# Altium PCB BRD_XC95144XL.PcbDoc (part 1 of 2) (continued)
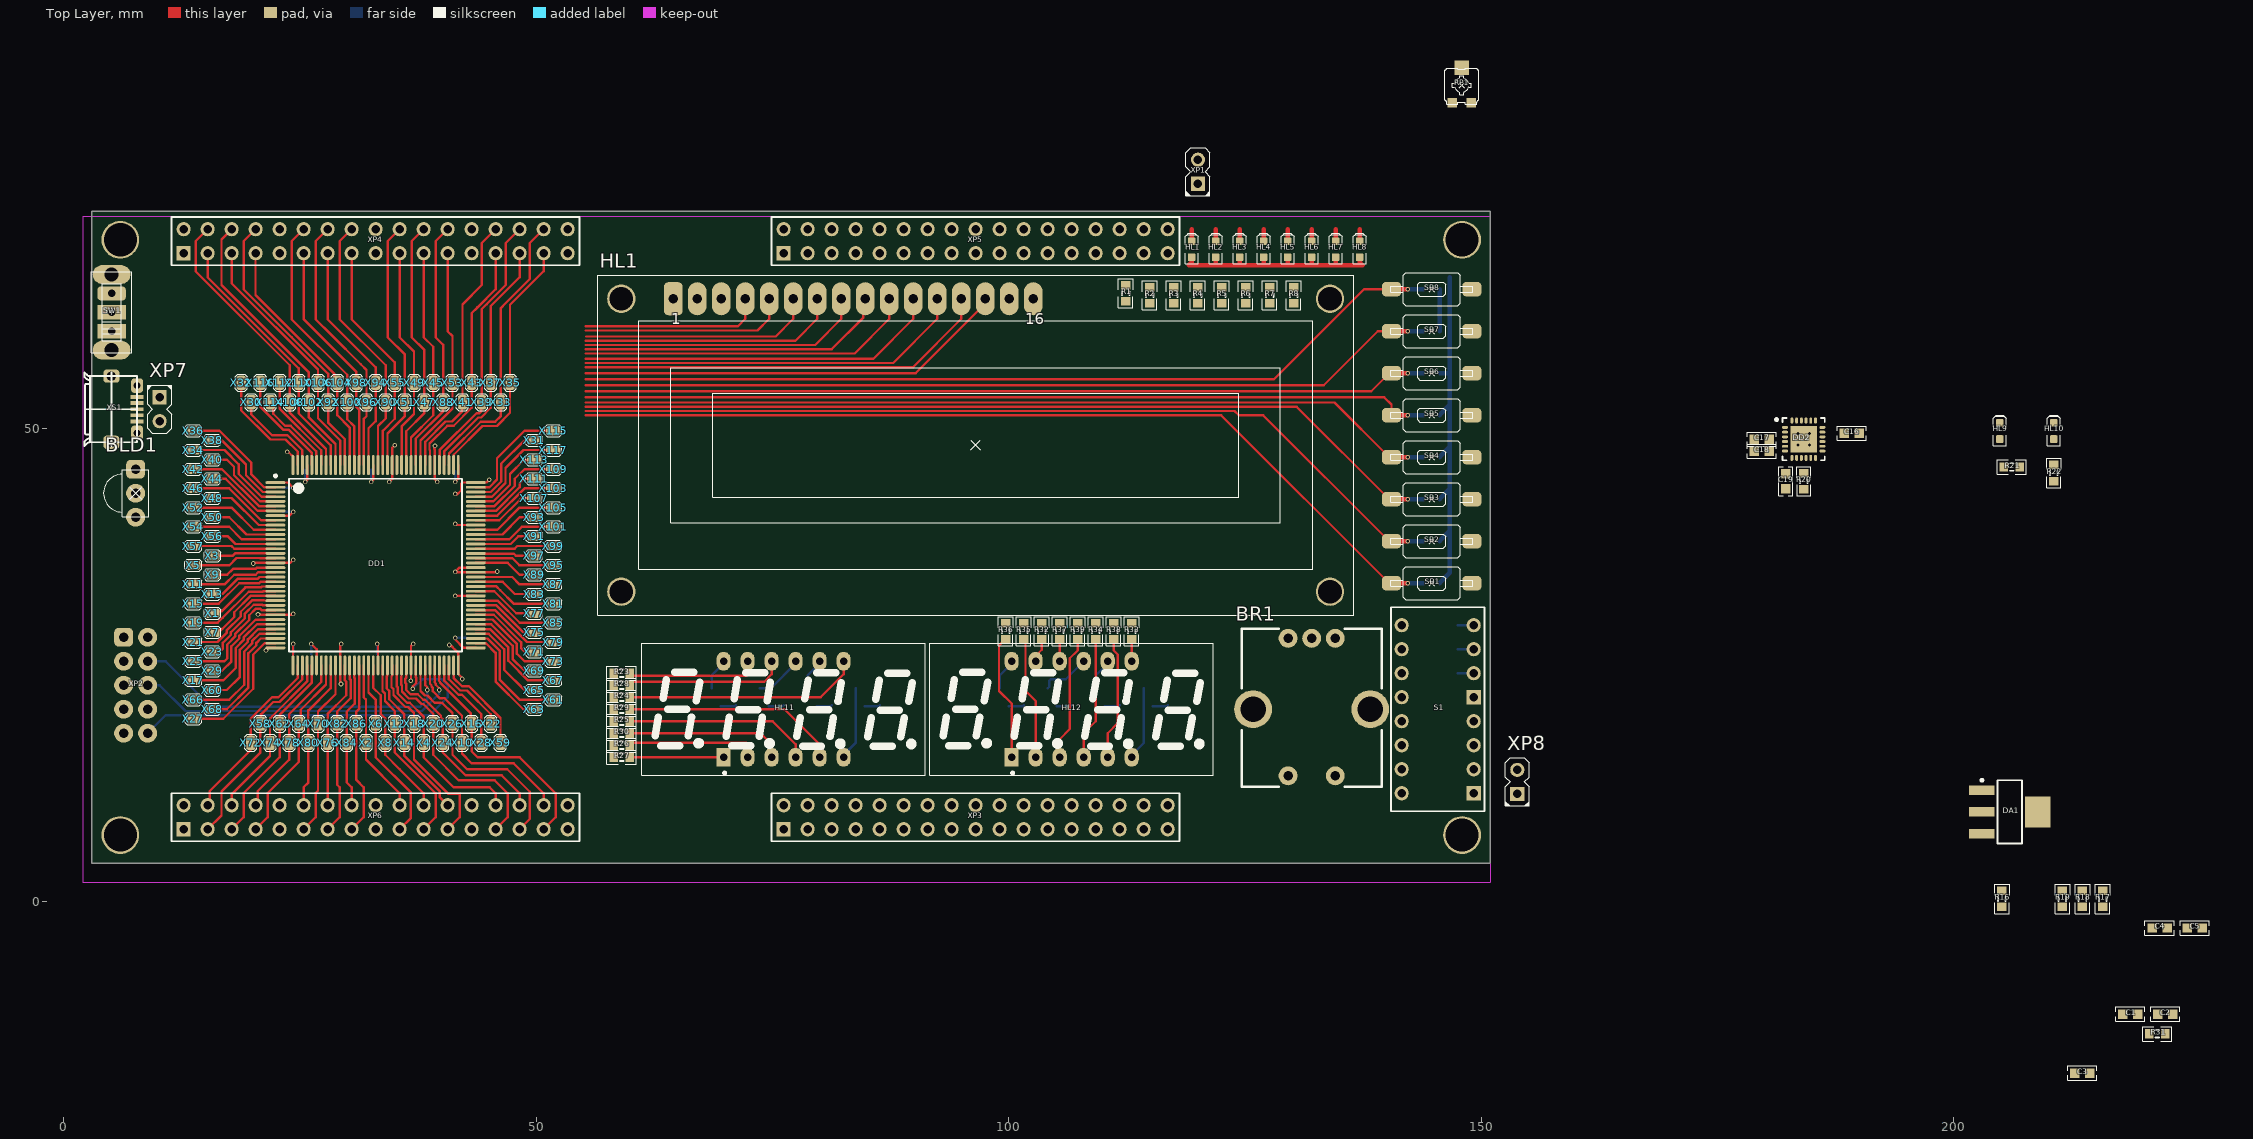
[diagram p0: Top Layer view]
## Components (designator, comment, footprint, x,y, rotation, side; value= is the part's Value field where it differs from the comment) (continued)
X101 "X1-1.27-1-TOP-RR" 1.27-1-TOP-RR 51.816,39.624 r90 top
X102 "X1-1.27-1-TOP-RR" 1.27-1-TOP-RR 25.955,52.809 r180 top
X103 "X1-1.27-1-TOP-RR" 1.27-1-TOP-RR 51.816,43.688 r90 top
X104 "X1-1.27-1-TOP-RR" 1.27-1-TOP-RR 28.956,54.864 r180 top
X105 "X1-1.27-1-TOP-RR" 1.27-1-TOP-RR 51.816,41.656 r90 top
X106 "X1-1.27-1-TOP-RR" 1.27-1-TOP-RR 26.924,54.864 r180 top
X107 "X1-1.27-1-TOP-RR" 1.27-1-TOP-RR 49.784,42.672 r90 top
X108 "X1-1.27-1-TOP-RR" 1.27-1-TOP-RR 23.923,52.809 r180 top
X109 "X1-1.27-1-TOP-RR" 1.27-1-TOP-RR 51.816,45.72 r90 top
X110 "X1-1.27-1-TOP-RR" 1.27-1-TOP-RR 24.892,54.864 r180 top
X111 "X1-1.27-1-TOP-RR" 1.27-1-TOP-RR 49.784,44.704 r90 top
X112 "X1-1.27-1-TOP-RR" 1.27-1-TOP-RR 22.86,54.864 r180 top
X113 "X1-1.27-1-TOP-RR" 1.27-1-TOP-RR 49.784,46.736 r90 top
X114 "X1-1.27-1-TOP-RR" 1.27-1-TOP-RR 21.891,52.809 r180 top
X115 "X1-1.27-1-TOP-RR" 1.27-1-TOP-RR 51.816,49.784 r90 top
X116 "X1-1.27-1-TOP-RR" 1.27-1-TOP-RR 20.828,54.864 r180 top
X117 "X1-1.27-1-TOP-RR" 1.27-1-TOP-RR 51.816,47.752 r90 top
XP1 "PLS-2_Jump" PLS-2-3D 120.047,75.932 r90 top
XP2 "BH-10" BH-10 6.35,27.94 r270 top
XP3 "M20-9761746" PLD-34-3D 76.2,7.62 r0 top locked
XP4 "M20-9761746" PLD-34-3D 12.7,68.58 r0 top locked
XP5 "M20-9761746" PLD-34-3D 76.2,68.58 r0 top
XP6 "M20-9761746" PLD-34-3D 12.7,7.62 r0 top locked
XP7 "PLS-2_Jump" PLS-2-3D 10.16,53.34 r270 top
XP8 "PLS-2_Jump" PLS-2-3D 153.84,11.36 r90 top
XS1 "MICRO_USB _B" "MICRO_USB _B" 5.08,52.07 r270 top

## Footprints (in the part's own frame and the unit in brackets; to place one, negate y for a bottom-side part, rotate by r counter-clockwise, add the part's x,y. Pads: shape width x height; smd on the part's side, far side on the other; paste and mask are expansions set on the pad)
1.27-1-TOP-RR [mm] "1.27mm pin header connector with 2mm body height. 4..80 pins"
  rrect50% 1x1.5 smd: 1(0,0)
  silkscreen extent -0.64,-0.89 0.64,0.89
BH-10 [mm]
  rrect50% 2x2 hole 1: 1(0,0)
  round 2 hole 1: 2(0,2.54) 3(2.54,0) 4(2.54,2.54) 5(5.08,0) 6(5.08,2.54) 7(7.62,0) 8(7.62,2.54) 9(10.16,0) 10(10.16,2.54)
  body extent -5.17,-3.28 15.33,6.02, height 9.1
CAPC1608(0603)N [mm] "Chip Capacitor, Body 1.6x0.8mm, IPC Medium Density"
  rect 1x1 smd: 1(-0.8,0) 2(0.8,0)
  silkscreen extent -1.55,-0.76 1.55,0.76, body extent -0.8,-0.4 0.8,0.4, height 0.3
DS01C-254-S-08BE [mm]
  rect 1.5x1.5 hole 0.9: 1(0,0) 9(10.16,0)
  round 1.5 hole 0.9: 2(0,7.62) 3(2.54,0) 4(2.54,7.62) 5(5.08,0) 6(5.08,7.62) 7(7.62,0) 8(7.62,7.62) 10(10.16,7.62) 11(12.7,0) 12(12.7,7.62) 13(15.24,0) 14(15.24,7.62) 15(17.78,0) 16(17.78,7.62)
  silkscreen extent -1.91,-1.14 19.68,8.76, body extent -1.77,-1.14 19.55,8.76, height 7
EC11 [mm]
  round 4 hole 2.7: 0(0,-6.2) 0(0,6.2)
  round 2 hole 1: 1(-7.05,2.5) 2(-7.05,-2.5) 3(7.5,-2.5) 4(7.5,0) 5(7.5,2.5)
  silkscreen extent -8.2,-7.4 8.5,7.4, body extent -7.4,-6.55 7.73,6.55, height 31.6
GNQ-3641AS [mm]
  rect 1.5x2 hole 0.8: 1(-6.35,-5.08)
  oval 1.5x2 hole 0.8: 2(-3.81,-5.08) 3(-1.27,-5.08) 4(1.27,-5.08) 5(3.81,-5.08) 6(6.35,-5.08) 7(6.35,5.08) 8(3.81,5.08) 9(1.27,5.08) 10(-1.27,5.08) 11(-3.81,5.08) 12(-6.35,5.08)
  silkscreen extent -15.01,-7 15,7, body extent -15,-7 15,7, height 7.1
LED-0603-GREEN [mm]
  round 0.254 on Mech15: 0(0,0)
  rrect25% 0.8x0.8 smd: A(-0.85,0) K(0.85,0)
  Top Layer pour cut-out: -0.5,0.5 0.5,0.5 0.5,-0.5 -0.5,-0.5
  silkscreen extent -1.55,-0.67 1.68,0.67, body extent -0.8,-0.4 0.8,0.4, height 0.75
"MICRO_USB _B" [mm]
  rect 0.4x1.35 smd: 1(-1.3,2.7) 2(-0.65,2.7) 3(0,2.7) 4(0.65,2.7) 5(1.3,2.7)
  rrect50% 1.4x1.7 hole 1: 6(-3.5,-0.025) 6(3.5,-0.025)
  rrect50% 1.524x1.25 hole 0.75: 6(-2.5,2.7) 6(2.5,2.7)
  silkscreen extent -3.88,-2.85 3.88,2.7, body extent -4.02,-2.73 4.02,2.85, height 2.63
NHD-0216K1Z-NSB-FBW-L [mm]
  round 3 hole 2.5 unplated: 0(-37.5,-15.5) 0(-37.5,15.5) 0(37.5,-15.5) 0(37.5,15.5)
  rrect50% 2x3.5 hole 1: 1(-32,15.5)
  oval 2x3.5 hole 1: 2(-29.46,15.5) 3(-26.92,15.5) 4(-24.38,15.5) 5(-21.84,15.5) 6(-19.3,15.5) 7(-16.76,15.5) 8(-14.22,15.5) 9(-11.68,15.5) 10(-9.14,15.5) 11(-6.6,15.5) 12(-4.06,15.5) 13(-1.52,15.5) 14(1.02,15.5) 15(3.56,15.5) 16(6.1,15.5)
  silkscreen extent -40,-18 40,18, body extent -40,-18 40,18, height 19.6
OS102011MS2QN1 [mm] "SWITCH SLIDE SPDT 100MA 12V"
  rrect50% 1.5x3 hole 0.8: 1(-2,0)
  rect 1.5x3 hole 0.8: 2(0,0) 3(2,0)
  oval 2x4 hole 1.5: 4(-4,0) 5(4,0)
  silkscreen extent -4.3,-2.15 4.3,2.15, body extent -4.3,-2.15 4.3,2.15, height 8
PLD-34-3D [mm] "Connector; Header; 17x2 Position"
  rect 1.5x1.5 hole 0.9: 1(0,0)
  round 1.5 hole 0.9: 2(0,2.54) 3(2.54,0) 4(2.54,2.54) 5(5.08,0) 6(5.08,2.54) 7(7.62,0) 8(7.62,2.54) 9(10.16,0) 10(10.16,2.54) 11(12.7,0) 12(12.7,2.54) 13(15.24,0) 14(15.24,2.54) 15(17.78,0) 16(17.78,2.54) 17(20.32,0) 18(20.32,2.54) 19(22.86,0) 20(22.86,2.54) 21(25.4,0) 22(25.4,2.54) 23(27.94,0) 24(27.94,2.54) 25(30.48,0) 26(30.48,2.54) 27(33.02,0) 28(33.02,2.54) 29(35.56,0) 30(35.56,2.54) 31(38.1,0) 32(38.1,2.54) 33(40.64,0) 34(40.64,2.54)
  silkscreen extent -1.27,-1.27 41.91,3.81, body extent -1.27,-1.23 41.91,3.77, height 8.4
PLS-2-3D [mm] "Connector; Header; 2 Position"
  rect 1.5x1.5 hole 0.9: 1(0,0)
  round 1.5 hole 0.9: 2(2.54,0)
  silkscreen extent -1.27,-1.27 3.81,1.27, body extent -1.27,-1.27 3.81,1.27, height 8.44
"PTS636 SM43 SMTR LFS" [mm]
  rrect50% 2x1.5 smd: 1(-4.25,0) 2(4.25,0)
  silkscreen extent -4.35,-1.75 4.35,1.75, body extent -3,-1.75 3,1.75, height 4.3
QFN24_L [mm] "QFN, 24-Leads, Body 4x4mm, Pitch 0.5mm, IPC High Density"
  oval 0.65x0.3 smd: 1(-1.975,1.25) 2(-1.975,0.75) 3(-1.975,0.25) 4(-1.975,-0.25) 5(-1.975,-0.75) 6(-1.975,-1.25) 13(1.975,-1.25) 14(1.975,-0.75) 15(1.975,-0.25) 16(1.975,0.25) 17(1.975,0.75) 18(1.975,1.25)
  oval 0.3x0.65 smd: 7(-1.25,-1.975) 8(-0.75,-1.975) 9(-0.25,-1.975) 10(0.25,-1.975) 11(0.75,-1.975) 12(1.25,-1.975) 19(1.25,1.975) 20(0.75,1.975) 21(0.25,1.975) 22(-0.25,1.975) 23(-0.75,1.975) 24(-1.25,1.975)
  rect 2.8x2.8 smd: 25(0,0)
  silkscreen extent -3,-2.22 2.22,2.22, body extent -2.05,-2.07 2.05,2.03, height 1
RESC1608(0603)N [mm] "Chip Resistor, Body 1.6x0.8mm, IPC Medium Density"
  rect 0.9x1 smd: 1(-0.85,0) 2(0.85,0)
  silkscreen extent -1.55,-0.76 1.55,0.76, body extent -0.8,-0.4 0.8,0.4, height 0.3
SG-8018CA [mm]
  rect 1.8x2 smd mask+0.075: 1(-2.9,-2.1)
  rrect25% 1.8x2 smd mask+0.075: 2(2.9,-2.1) 3(2.9,2.1) 4(-2.9,2.1)
  silkscreen extent -3.5,-2.5 3.5,2.5, body extent -3.5,-2.5 3.5,2.5, height 1.7
SOT23-3N [mm] "SOT23, 3-Leads, Body 2.9x1.3mm, Pitch 0.95mm, Lead Span 2.5mm, IPC Medium Density"
  rect 1.5x0.6 smd: 1(-0.95,0.95) 2(-0.95,-0.95) 3(0.95,0)
  silkscreen extent -1.07,-1.5 0.7,1.93, body extent -1.57,-1.5 1.57,1.5, height 1
SOT223_M [mm] "SOT223, 4-Leads, Body 6.5x3.5mm, Pitch 2.3mm, Lead Span 7mm, IPC Low Density"
  rect 2.7x1 smd: 1(-2.95,2.3) 2(-2.95,0) 3(-2.95,-2.3)
  rect 2.7x3.3 smd: 4(2.95,0)
  silkscreen extent -3.07,-3.35 1.3,3.47, body extent -3.65,-3.35 3.65,3.35, height 1.7
TC-33X-2 [mm] "Bourns TC-33X2 Series Trim Pot"
  rect 1x1 smd: 1(-1.016,-1.841) 3(1.016,-1.841)
  rect 1.5x1.5 smd: 2(0,1.841)
  Top Layer pour cut-out: -0.8,1 0.8,1 0.8,-0.9 -0.8,-0.9
  silkscreen extent -1.8,-2 1.8,1.8, body extent -1.8,-2.06 1.8,1.9, height 1.23
TQ144_M [mm] "Thin QFP, 144-Leads, Body 20x20mm, Pitch 0.5mm, IPC Low Density"
  oval 2.1x0.3 smd: 1(-10.6,8.75) 2(-10.6,8.25) 3(-10.6,7.75) 4(-10.6,7.25) 5(-10.6,6.75) 6(-10.6,6.25) 7(-10.6,5.75) 8(-10.6,5.25) 9(-10.6,4.75) 10(-10.6,4.25) 11(-10.6,3.75) 12(-10.6,3.25) 13(-10.6,2.75) 14(-10.6,2.25) 15(-10.6,1.75) 16(-10.6,1.25) 17(-10.6,0.75) 18(-10.6,0.25) 19(-10.6,-0.25) 20(-10.6,-0.75) 21(-10.6,-1.25) 22(-10.6,-1.75) 23(-10.6,-2.25) 24(-10.6,-2.75) 25(-10.6,-3.25) 26(-10.6,-3.75) 27(-10.6,-4.25) 28(-10.6,-4.75) 29(-10.6,-5.25) 30(-10.6,-5.75) 31(-10.6,-6.25) 32(-10.6,-6.75) 33(-10.6,-7.25) 34(-10.6,-7.75) 35(-10.6,-8.25) 36(-10.6,-8.75) 73(10.6,-8.75) 74(10.6,-8.25) 75(10.6,-7.75) 76(10.6,-7.25) 77(10.6,-6.75) 78(10.6,-6.25) 79(10.6,-5.75) 80(10.6,-5.25) 81(10.6,-4.75) 82(10.6,-4.25) 83(10.6,-3.75) 84(10.6,-3.25) 85(10.6,-2.75) 86(10.6,-2.25) 87(10.6,-1.75) 88(10.6,-1.25) 89(10.6,-0.75) 90(10.6,-0.25) 91(10.6,0.25) 92(10.6,0.75) 93(10.6,1.25) 94(10.6,1.75) 95(10.6,2.25) 96(10.6,2.75) 97(10.6,3.25) 98(10.6,3.75) 99(10.6,4.25) 100(10.6,4.75) 101(10.6,5.25) 102(10.6,5.75) 103(10.6,6.25) 104(10.6,6.75) 105(10.6,7.25) 106(10.6,7.75) 107(10.6,8.25) 108(10.6,8.75)
  oval 0.3x2.1 smd: 37(-8.75,-10.6) 38(-8.25,-10.6) 39(-7.75,-10.6) 40(-7.25,-10.6) 41(-6.75,-10.6) 42(-6.25,-10.6) 43(-5.75,-10.6) 44(-5.25,-10.6) 45(-4.75,-10.6) 46(-4.25,-10.6) 47(-3.75,-10.6) 48(-3.25,-10.6) 49(-2.75,-10.6) 50(-2.25,-10.6) 51(-1.75,-10.6) 52(-1.25,-10.6) 53(-0.75,-10.6) 54(-0.25,-10.6) 55(0.25,-10.6) 56(0.75,-10.6) 57(1.25,-10.6) 58(1.75,-10.6) 59(2.25,-10.6) 60(2.75,-10.6) 61(3.25,-10.6) 62(3.75,-10.6) 63(4.25,-10.6) 64(4.75,-10.6) 65(5.25,-10.6) 66(5.75,-10.6) 67(6.25,-10.6) 68(6.75,-10.6) 69(7.25,-10.6) 70(7.75,-10.6) 71(8.25,-10.6) 72(8.75,-10.6) 109(8.75,10.6) 110(8.25,10.6) 111(7.75,10.6) 112(7.25,10.6) 113(6.75,10.6) 114(6.25,10.6) 115(5.75,10.6) 116(5.25,10.6) 117(4.75,10.6) 118(4.25,10.6) 119(3.75,10.6) 120(3.25,10.6) 121(2.75,10.6) 122(2.25,10.6) 123(1.75,10.6) 124(1.25,10.6) 125(0.75,10.6) 126(0.25,10.6) 127(-0.25,10.6) 128(-0.75,10.6) 129(-1.25,10.6) 130(-1.75,10.6) 131(-2.25,10.6) 132(-2.75,10.6) 133(-3.25,10.6) 134(-3.75,10.6) 135(-4.25,10.6) 136(-4.75,10.6) 137(-5.25,10.6) 138(-5.75,10.6) 139(-6.25,10.6) 140(-6.75,10.6) 141(-7.25,10.6) 142(-7.75,10.6) 143(-8.25,10.6) 144(-8.75,10.6)
  silkscreen extent -10.72,-9.15 9.15,9.57, body extent -10,-10 10,10, height 1.6
TSOP98638 [mm] "TO, Flat Index; 3 In-Line, Axial Leads; Body Dia. 4.6mm; Leads 0.41 x 0.39 mm (max)"
  rrect50% 2x2 hole 1: 1(-2.54,0)
  round 2 hole 1: 2(0,0) 3(2.54,0)
  silkscreen extent -2.5,-3.4 2.5,1.4

## Part data
BLD1: "Infrared Receivers Minicast 38kHz AGC6", MouserPart Number=78-TSOP98638, HelpURL=https://eu.mouser.com/ProductDetail/Vishay-Semiconductors/TSOP98638?qs=sGAEpiMZZMvAL21a%2FDhxMux9%252B3JMN1KByARZ0rnwx0RiIZEfXUI3Hg%3D%3D, Manufacturer Part Number=TSOP98638, Part Number=TSOP98638, Price$=0.34
C1 C2 C3 C4 C5 C6 C7 C8 C9 C10 C11 C12 C13 C14 C15 C16 C17 C18 C19 C20 C21 C22: library part CAPC1608(0603), "?", Digi-Key Part Number=?, HelpURL=?, Manufacturer Part Number=?, Note=?, Package=?, Part Number=CAPC1608(0603), Price$=?
DA1: "LDO Voltage Regulators 3.3V 0.8A Positive", Digi-Key Part Number=?, HelpURL=http://www.mouser.com/ds/2/389/CD00000544-310772.pdf, Manufacturer Part Number=?, Note=?, Package=?, Part Number=LD1117S33T, Price$=?
DD1: "CPLD - Complex Programmable Logic Devices 3.3V 144-mc CPLD", Mouser Part Number="217-95144XL-10TQ144C / XC95144XL-10TQ144C", Supplier Part Number 1=57K6676, Code_JEDEC=MS-026-BFB, ComponentLink1Description="XC95144XL Datasheet", ComponentLink1URL=http://www.xilinx.com/support/documentation/data_sheets/ds056.pdf, ComponentLink2Description="TQ144 Package Drawing", ComponentLink2URL=http://www.xilinx.com/support/documentation/package_specs/tq144.pdf, ComponentLink3Description="XC9500XL Documents", ComponentLink3URL=http://www.xilinx.com/support/documentation/xc9500xl.htm, ComponentLink4Description="Xilinx.com Home", ComponentLink4URL=http://www.xilinx.com, DatasheetVersion="ver2.0, Apr-2007", HelpURL=https://eu.mouser.com/ProductDetail/Xilinx/XC95144XL-10TQ144C?qs=%2Fha2pyFadugTsCOhII8KNhsdGgeTmifNm2GEPSy%2F%252BVgXqq8fbWDCPCTEWIHflfdW, LatestRevisionDate=18-Nov-2009, LatestRevisionNote="Updated to datasheet version 2.5 May-2009.", Manufacturer Part Number=XC95144XL-10TQ144C, PackageDescription="144-Pin Thin Quad Flat Pack (TQ144)", PackageReference=TQ144, PackageVersion="ver1.2, Jun-2004", Part Number=XC95144XL-10TQ144C, Published=17-Jul-2002, Publisher="Altium Limited", Supplier 1=Newark
DD2: "USB Bridge, USB to UART USB 2.0 UART Interface 24-QFN (4x4)", Digi-Key Part Number=336-2006-5-ND, Package="24-QFN (4x4)", HelpURL=https://www.digikey.com/product-detail/en/silicon-labs/CP2110-F01-GM/336-2006-5-ND/2486180, Manufacturer Part Number=CP2110-F01-GM, Part Number=CP2110-F01-GM, Price$=1,54
G1: "Standard Clock Oscillators XTAL OSC MHZ(O/E)3.3V 100PPM -40~85C BULK - CUT TAPE", HelpURL=https://eu.mouser.com/ProductDetail/Epson-Timing/SG-8018CA-500000M-TJHPA3?qs=sGAEpiMZZMtldj7qu1ydrbV2KlGvrVWIY9gBdo%252BVXqTvRWd88c1eVw%3D%3D, Manufacturer Part Number="SG-8018CA 50.0000M-TJHPA3", Part Number="SG-8018CA 50.0000M-TJHPA3", Price$=0.763
HL1: "LCD Character Display Modules & Accessories FSTN (-) Transm 80.0 x 36.0", HelpURL=https://eu.mouser.com/ProductDetail/Newhaven-Display/NHD-0216K1Z-NSB-FBW-L?qs=sGAEpiMZZMt7dcPGmvnkBq9RSAvEJGmRBxVpTR9oBwA%3D, Manufacturer Part Number=NHD-0216K1Z-NSB-FBW-L, Part Number=NHD-0216K1Z-NSB-FBW-L, Price$=6,76
HL1 HL2 HL3 HL4 HL5 HL6 HL7 HL8 HL9 HL10: library part LED-0603-GREEN, "LED GREEN DIFFUSED 0603 SMD", Digi-Key Part Number=732-12017-1-ND, Manufacturer Part Number=150060VS55040, Package=?, HelpURL=https://www.digikey.com/products/en?keywords=732-12017-1-ND, Note=?, Part Number=LED-0603-GREEN, Price$=?
HL11 HL12: Digi-Key Part Number="QUAD DIGIT LED DISPLAY Comm cathide", HelpURL=http://malibor.by/sitedocs/07976.pdf, Manufacturer Part Number=GNQ-3641AS, Part Number=GNQ-3641AS
R1 R2 R3 R4 R5 R6 R7 R8 R9 R10 R11 R12 R13 R14 R15 R16 R17 R18 R19 R20 R21 R22 R23 R24 R25 R26 R27 R28 R29 R30 R31 R32 R33 R34 R35 R36 R37 R38 R39 R40 R41 R42 R43 R44 R45 R46 R47 R48 R49 R50 R51 R52 R53 R54 R55 R56 R57 R58 R59 R60 R61 R62: library part RESC1608(0603), Digi-Key Part Number=???, HelpURL=???, Manufacturer Part Number=???, Note=???, Package=???, Part Number=RESC1608(0603), Price$=???
RP1: library part TC-33X-2, Digi-Key Part Number=???, HelpURL=https://www.digikey.com/product-detail/en/bourns-inc/TC33X-1-102E/TC33X-1-102E-ND/2566866, Manufacturer Part Number=???, Note=???, Package=???, Part Number=TC-33X-2, Price$=???
S1: library part DS01C-254-S-08BE, "DIP SWITCH, SPST, 2.54 PITCH, RA", Digi-Key Part Number=2223-DS01C-254-S-08BE-ND, HelpURL=https://www.digikey.com/product-detail/en/cui-devices/DS01C-254-S-08BE/2223-DS01C-254-S-08BE-ND/11310924, LatestRevisionDate=17-Jul-2002, LatestRevisionNote="Re-released for DXP Platform.", Manufacturer Part Number=DS01C-254-S-08BE, PackageDescription="DIP Switch; 16 Leads", PackageReference=DIP_SW_8WAY_SMD, Part Number=DS01C-254-S-08BE, Price$=0.64, Published=24-Mar-1999, Publisher="Altium Limited"
SB1 SB2 SB3 SB4 SB5 SB6 SB7 SB8: "Tactile Switches Tact 50mA 12VDC, 6.0x3.5, 4.3mm H, 180gf, G leads, No ground pin, Black Actuator", Mouser Part Number=611-PTS636SM43SMTRLF, Package=2pinSMD, HelpURL=https://eu.mouser.com/ProductDetail/CK/PTS636-SM43-SMTR-LFS?qs=sGAEpiMZZMsgGjVA3toVBC4OPD95ORcgaeKhIDqe9Es%3D, Manufacturer Part Number="PTS636 SM43 SMTR LFS", Part Number="PTS636 SM43 SMTR LFS", Price$=0.11
SW1: "SWITCH SLIDE SPDT 100MA 12V", Digi-Key Part Number=CKN9565-ND, Package=???, ComponentLink1Description="Manufacturer Link", ComponentLink1URL=http://www.apem.com, HelpURL=https://www.digikey.com/product-detail/en/c-k/OS102011MS2QN1/CKN9565-ND/411602, Manufacturer Part Number=OS102011MS2QN1, Note=???, Part Number=OS102011MS2QN1, Price$=???
VT1 VT2 VT3 VT4 VT5 VT6 VT7 VT8 XS1: Digi-Key Part Number=???, Manufacturer Part Number=???, Note=???, Package=???, Price$=???
  VT1 VT2 VT3 VT4 VT5 VT6 VT7 VT8: HelpURL=http://www.nxp.com/documents/data_sheet/BC848_SER.pdf, Part Number=BC848
  XS1: HelpURL=https://www.digikey.com/product-detail/en/amphenol-icc-fci/10118194-0001LF/609-4618-1-ND/2785382, Part Number="MICRO_USB _B"
XP1 XP7 XP8: "CONN HEADER VERT 2POS 2.54MM", Digi-Key Part Number=S1011EC-02-ND, Manufacturer Part Number=PRPC002SAAN-RC, Package="Header 2POS 2.54mm", HelpURL=https://www.digikey.com/product-detail/en/sullins-connector-solutions/PRPC002SAAN-RC/S1011EC-02-ND/2775252, Note=???, Part Number=PLS-2_Jump, Price$=0.08
XP2: Digi-Key Part Number=-, Note=???, Part Number=BH-10
XP3 XP4 XP5 XP6: "Headers & Wire Housings 17+17 DIL VERTICAL PIN HEADER TIN", Package="Header 34POS 2.54mm", HelpURL=https://eu.mouser.com/ProductDetail/Harwin/M20-9761746?qs=sGAEpiMZZMs%252BGHln7q6pmzlZUuX%2F53qj7MeP%2FHlsHzw%3D, Manufacturer Part Number=M20-9761746, Part Number=M20-9761746, Price$=0.475
BR1: Part Number=EC11
X1 X2 X3 X4 X5 X6 X7 X8 X9 X10 X11 X12 X13 X14 X15 X16 X17 X18 X19 X20 X21 X22 X23 X24 X25 X26 X27 X28 X29 X30 X31 X32 X33 X34 X35 X36 X37 X38 X39 X40 X41 X42 X43 X44 X45 X46 X47 X48 X49 X50 X51 X52 X53 X54 X55 X56 X57 X58 X59 X60 X61 X62 X63 X64 X65 X66 X67 X68 X69 X70 X71 X72 X73 X74 X75 X76 X77 X78 X79 X80 X81 X82 X83 X84 X85 X86 X87 X88 X89 X90 X91 X92 X93 X94 X95 X96 X97 X98 X99 X100 X101 X102 X103 X104 X105 X106 X107 X108 X109 X110 X111 X112 X113 X114 X115 X116 X117: Part Number=X1-1.27-1-TOP-RR

## Free pads (board coordinates)
  round 4 hole 3.5: 0(6,7) 0(6,70) 0(148,7) 0(148,70)

## Via types
v1: diameter 0.5, hole 0.3, Top Layer to Bottom Layer, 42 vias
v2: diameter 0.66, hole 0.33, Top Layer to Bottom Layer, 4 vias

## Nets (pads, with @x,y where several pads share a name; then routed paths per layer and width w, separated by ;. In a path a pad name is that pad's centre, name@x,y a point inside that pad or via, vN(x,y) a via of type N, cw(c..) or ccw(c..) an arc to the next point about the centre after c; other vN are vias at no path point)
+3V3: BLD1.3 C3.2 C4.2 C5.2 C6.2 C7.2 C8.2 C9.2 C10.2 C11.2 C12.2 C13.2 C14.2 C15.2 C17.2 C18.2 C20.2 DA1.2 DA1.4 DD1.1 DD1.8 DD1.37 DD1.42 DD1.55 DD1.73 DD1.84 DD1.109 DD1.127 DD1.141 DD2.5 DD2.6 G1.1 G1.4 R9.1 R10.1 R11.1 R12.1 R13.1 R14.1 R15.1 R20.2 R21.2 R22.2 R40.1 R41.1 R42.1 R43.1 R44.1 R45.1 R46.1 R47.1 R48.1 R50.1 R51.1 R52.1 XP2.2 XP3.1 XP3.9 XP3.17 XP3.25 XP3.33 XP4.1 XP4.9 XP4.17 XP4.25 XP4.33 XP5.1 XP5.9 XP5.17 XP5.25 XP5.33 XP6.1 XP6.9 XP6.17 XP6.25 XP6.33 | length 78
  Top Layer w0.25: DD1.8@22.42,40.81 23.905,40.81 v1(24.3,41.205) ; DD1.1@22.42,44.31 23.735,44.31 v1(24.3,43.745) ; DD1.37@24.27,24.96 24.27,27.205 v1(24.3,27.235) ; DD1.141@25.77,46.16 25.77,44.648 ; v1(26.205,27.235) 26.77,26.67 DD1.42@26.77,24.96 ; v1(32.555,44.38) 32.77,44.595 DD1.127@32.77,46.16 ; v1(33.19,27.235) 33.19,27.167 33.27,27.087 DD1.55@33.27,24.96 ; v1(41.445,27.87) 41.445,27.696 42.331,26.81 DD1.73@43.62,26.81 ; v1(41.445,32.315) 43.615,32.315 DD1.84@43.62,32.31 ; v1(41.445,44.38) 41.77,44.705 DD1.109@41.77,46.16 ; 25.77,44.648 25.77,44.58 v1(25.57,44.38) 25.57,44.448 25.77,44.648
  Bottom Layer w0.25: C14.2@23.195,41.205 v1(24.3,41.205) ; C8.2@23.195,43.745 v1(24.3,43.745) ; C13.2@24.3,26.13 v1(24.3,27.235) ; v1@25.57,44.448 C7.2@25.57,45.485 C7.2@25.57,45.65 ; C12.2@26.205,26.13 v1(26.205,27.235) ; v1(32.555,44.38) C6.2@32.555,45.485 C6.2@32.555,45.65 ; C10.2@33.19,26.13 v1(33.19,27.235) ; v1(41.445,27.87) C15.2@42.55,27.87 ; v1(41.445,32.315) C9.2@42.55,32.315 ; v1(41.445,44.38) C11.2@41.445,45.485
  Bottom Layer w0.5: R15.1@145.63,33.655 145.63,33.705 146.685,34.76 146.685,39.205 ; R14.1@145.63,38.1 145.63,38.15 146.685,39.205 ; R13.1@145.63,42.545 145.63,42.595 146.685,43.65 ; R12.1@145.63,46.99 145.63,47.04 146.685,48.095 ; R11.1@145.63,51.435 145.63,51.485 146.685,52.54 ; R10.1@145.63,55.88 146.685,55.88 ; R9.1@145.63,60.325 R40.1@145.63,64.77 ; 146.685,66.04 146.685,55.88 ; 146.685,39.205 146.685,40.64 146.685,43.65 ; 146.685,43.65 146.685,45.72 146.685,48.095 ; 146.685,48.095 146.685,50.8 146.685,52.54 ; 146.685,52.54 146.685,55.88
+5V: C1.2 C2.2 C19.2 DA1.3 DD2.7 DD2.8 HL1.2 RP1.3 SW1.1 XP8.2
GND: BLD1.2 BR1.2 BR1.4 C1.1 C2.1 C3.1 C4.1 C5.1 C6.1 C7.1 C8.1 C9.1 C10.1 C11.1 C12.1 C13.1 C14.1 C15.1 C16.1 C17.1 C18.1 C19.1 C20.1 C21.1 C22.1 DA1.1 DD1.18 DD1.29 DD1.36 DD1.47 DD1.62 DD1.72 DD1.89 DD1.90 DD1.99 DD1.108 DD1.114 DD1.123 DD1.144 DD2.2 DD2.25 G1.2 HL1.1 HL1.16 R16.1 R17.1 R18.1 R19.1 RP1.1 S1.2 S1.4 S1.6 S1.8 S1.10 S1.12 S1.14 S1.16 SB1.2 SB2.2 SB3.2 SB4.2 SB5.2 SB6.2 SB7.2 SB8.2 VT1.2 VT2.2 VT3.2 VT4.2 VT5.2 VT6.2 VT7.2 VT8.2 XP1.2 XP2.1 XP2.3 XP2.5 XP2.7 XP2.9 XP3.2 XP3.10 XP3.18 XP3.26 XP3.34 XP4.2 XP4.10 XP4.18 XP4.26 XP4.34 XP5.2 XP5.10 XP5.18 XP5.26 XP5.34 XP6.2 XP6.10 XP6.18 XP6.26 XP6.34 XP7.2 XS1.5 | length 45.5
  Top Layer w0.25: v1(20.066,35.747) 20.134,35.747 20.197,35.81 23.985,35.81 v1(24.3,36.125) ; v1(20.583,30.36) 20.631,30.312 20.714,30.312 20.716,30.31 DD1.29@22.42,30.31 24.132,30.31 24.232,30.41 v1(24.3,30.41) ; v1(21.428,26.548) 21.428,26.616 21.51,26.698 21.51,26.787 21.534,26.81 DD1.36@22.42,26.81 ; v1(23.664,47.554) 23.712,47.506 23.824,47.506 24.27,47.06 DD1.144@24.27,46.16 ; v1(29.345,22.996) 29.345,23.064 29.27,23.139 29.27,27.057 29.38,27.167 v1(29.38,27.235) ; v1(34.46,44.38) 34.77,44.69 DD1.123@34.77,46.16 34.78,46.17 34.78,47.988 v1(35.052,48.26) ; v1(36.745,23.334) 36.76,23.35 36.76,24.95 DD1.62@36.77,24.96 36.77,27.005 v1(37,27.235) ; v1(39.295,48.19) 39.243,48.138 39.243,47.864 39.27,47.837 DD1.114@39.27,46.16 39.27,44.65 v1(39.54,44.38) ; v1(40.81,27.12) 40.878,27.12 41.003,26.995 41.05,26.995 41.445,26.6 41.77,26.275 DD1.72@41.77,24.96 41.77,24.051 42.137,23.684 42.137,23.578 v1(42.185,23.53) ; v1(41.445,39.935) 41.513,39.935 41.638,39.81 DD1.99@43.62,39.81 ; v1(41.445,43.11) 41.445,43.091 41.493,43.043 41.627,43.043 42.082,43.498 42.082,44.164 42.229,44.31 DD1.108@43.62,44.31 43.628,44.318 44.755,44.318 v1(45.036,44.599) ; DD1.90@43.62,35.31 41.9,35.31 v1(41.445,34.855) 41.49,34.81 DD1.89@43.62,34.81 45.815,34.81 v1(45.89,34.885)
  other v2: 183.55,48.295 184.75,48.295 183.55,49.495 184.75,49.495
NetBLD1_1: BLD1.1 R49.1
NetBR1_1: BR1.1 R52.2
NetBR1_3: BR1.3 R50.2 R54.2
NetBR1_5: BR1.5 R51.2 R53.2
NetC16_2: C16.2 DD2.16
NetC21_2: C21.2 R53.1
NetC22_2: C22.2 R54.1
NetDD1_63: DD1.63 R16.2 XP2.10 | length 41.6
  Top Layer w0.25: v1(36.957,22.479) 36.957,22.733 37.32,23.096 37.32,23.643 37.28,23.683 37.28,24.95 DD1.63@37.27,24.96
  Bottom Layer w0.25: XP2.10@8.89,17.78 10.795,19.685 38.735,19.685 40.64,21.59 40.64,22.86 40.005,23.495 37.973,23.495 v1(36.957,22.479)
NetDD1_65: DD1.65 R19.2 XP2.4 | length 35.6
  Top Layer w0.25: DD1.65@38.27,24.96 38.26,24.95 38.26,22.893 38.481,22.673 v1(38.481,22.352)
  Bottom Layer w0.25: XP2.4@8.89,25.4 10.795,25.4 15.61,20.585 37.729,20.585 38.481,21.337 v1(38.481,22.352)
NetDD1_67: DD1.67 R18.2 XP2.6 | length 35.9
  Top Layer w0.25: DD1.67@39.27,24.96 39.27,23.157 39.381,23.046 39.381,22.902 39.751,22.532 v1(39.751,22.352)
  Bottom Layer w0.25: XP2.6@8.89,22.86 10.16,22.86 12.885,20.135 37.915,20.135 39.75,21.97 39.75,22.351 v1(39.751,22.352)
NetDD1_122: DD1.122 R17.2 XP2.8
NetDD2_3: DD2.3 XS1.3
NetDD2_4: DD2.4 XS1.2
NetDD2_9: DD2.9 R20.1
NetHL1_3: HL1.3 RP1.2
NetHL1_15: HL1.15 R31.2
NetHL1_A: HL1.A HL2.A HL3.A HL4.A HL5.A HL6.A HL7.A HL8.A XP1.1 | length 25.3
  Top Layer w0.5: HL1.A@119.38,68.15 119.38,67.603 119.087,67.31 121.92,67.31 ; HL2.A@121.92,68.15 121.92,67.31 ; HL3.A@124.46,68.15 124.46,67.31 ; HL4.A@127,68.15 127,67.31 ; HL5.A@129.54,68.15 129.54,67.31 ; HL6.A@132.08,68.15 132.08,67.31 ; HL7.A@134.62,68.15 134.62,67.31 ; HL8.A@137.16,68.15 137.16,67.603 137.453,67.31 134.62,67.31 ; 121.92,67.31 124.46,67.31 ; 124.46,67.31 127,67.31 ; 127,67.31 129.54,67.31 ; 129.54,67.31 132.08,67.31 ; 132.08,67.31 134.62,67.31
NetHL1_K: HL1.K R1.1 | length 1.3
  Top Layer w0.5: HL1.K@119.38,69.85 119.38,71.12
NetHL2_K: HL2.K R2.1 | length 1.3
  Top Layer w0.5: HL2.K@121.92,69.85 121.92,71.12
NetHL3_K: HL3.K R3.1 | length 1.3
  Top Layer w0.5: HL3.K@124.46,69.85 124.46,71.12
NetHL4_K: HL4.K R4.1 | length 1.3
  Top Layer w0.5: HL4.K@127,69.85 127,71.12